# Allegro board HI3516ADMEB_VER_C_PCB.brd (continued)
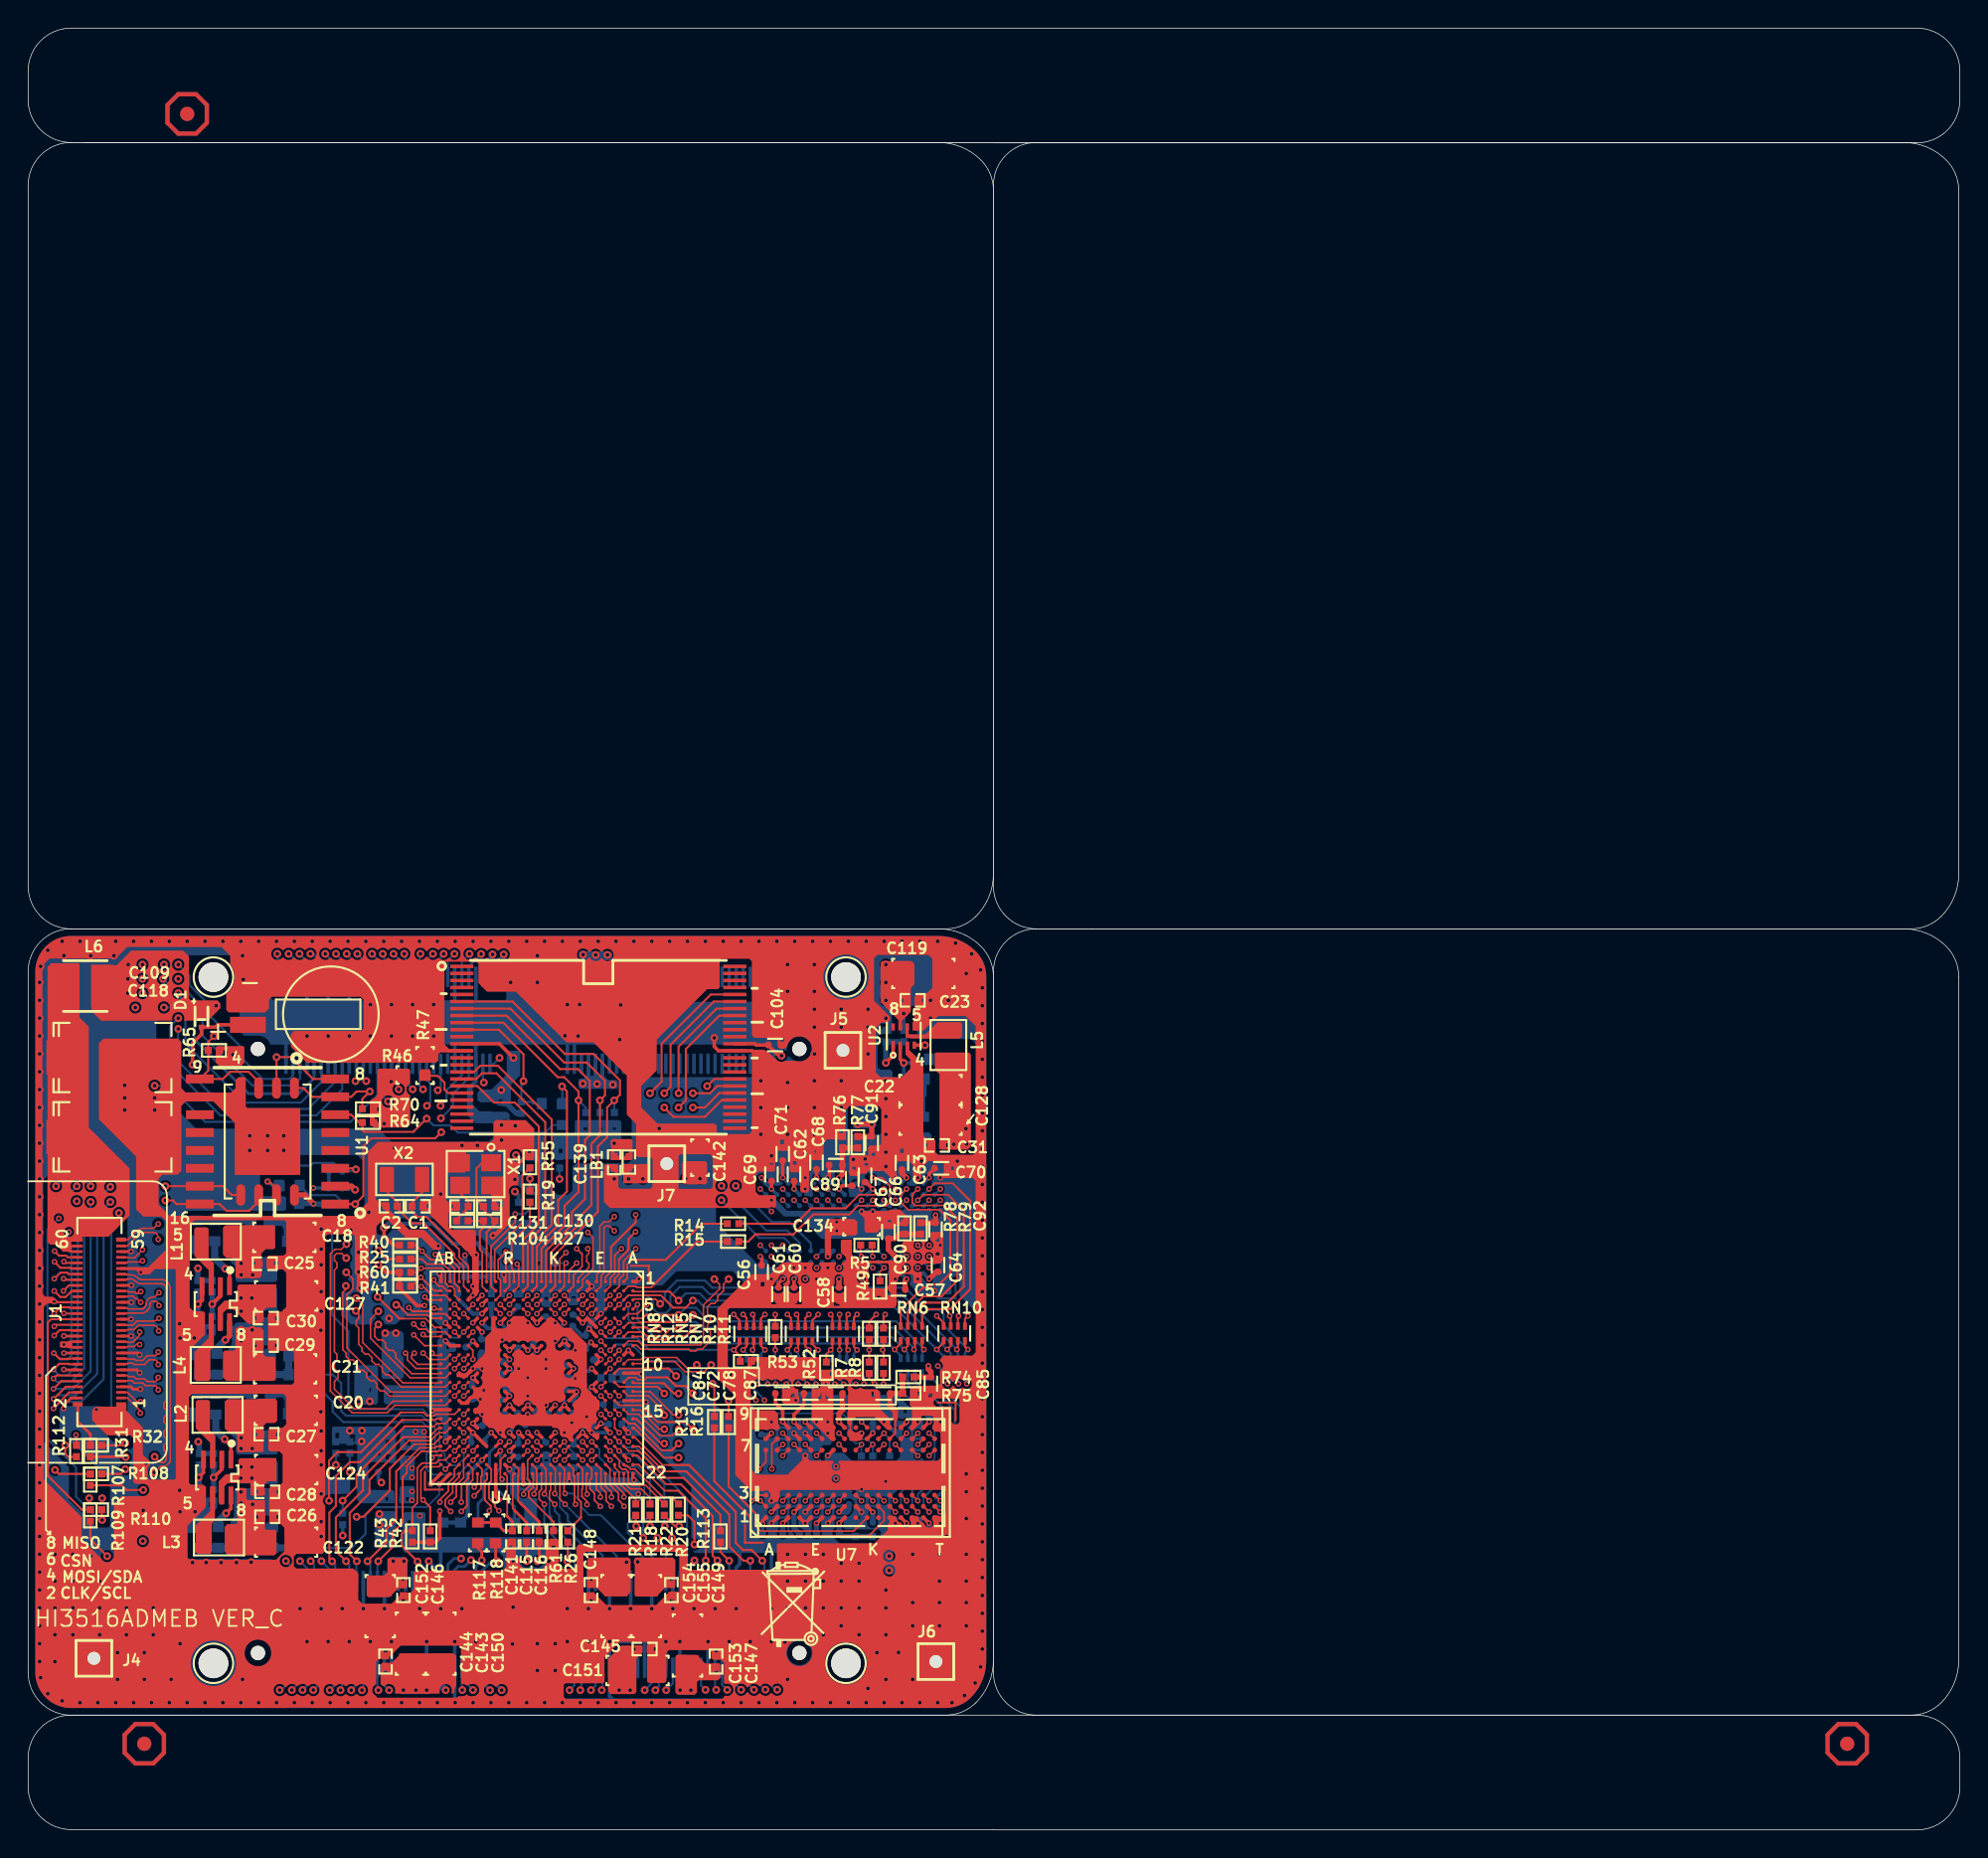
[diagram p0: board, top side]
## Routing (per net, layer and track width the routed paths; a pad name or vN(x,y) marks a point on that pad's centre or on a via; arc(x,y) is an arc through that point) (continued)
  BOTTOM w0.152: J3.22 23.32,61.57 v1(22.64,62.25)
VO_DAT3/SFC_DEVICE_MODE: length 85.6
  TOP w0.127: U4.G19 v2(39.41,26.93)
  ART03 w0.127: v1(25.21,62.25) 20.42,57.47 20.42,55.45 14.88,49.91 14.88,44.02 16.12,42.78 16.12,42.6 15.77,42.25 15.77,42.07 15.95,41.89 16.13,41.89 16.48,42.24 16.66,42.24 16.84,42.06 16.84,41.88 16.49,41.53 16.49,41.35 16.67,41.17 16.85,41.17 17.2,41.52 17.38,41.52 17.65,41.25 17.65,33.25 17.78,33.13 18.24,33.13 18.36,33 18.36,32.74 18.24,32.62 17.78,32.62 17.65,32.49 17.65,32.24 17.78,32.11 18.24,32.11 18.36,31.98 18.36,31.73 18.24,31.6 17.78,31.6 17.65,31.47 17.65,31.22 17.78,31.09 18.24,31.09 18.36,30.97 18.36,30.71 18.24,30.59 17.78,30.59 17.65,30.46 17.65,30.2 17.78,30.08 18.24,30.08 18.36,29.95 18.36,29.7 18.24,29.57 17.78,29.57 17.65,29.44 17.65,29 19.23,27.43 19.23,25.02 19.35,24.89 19.63,24.89 19.76,24.77 19.76,24.51 19.63,24.39 19.35,24.39 19.23,24.26 19.23,24 19.35,23.88 20.17,23.88 20.32,23.73 20.32,23.5 20.19,23.37 19.35,23.37 19.23,23.24 19.23,21.97 19.35,21.84 20.1,21.84 20.23,21.97 20.23,22.63 20.36,22.76 21.54,22.76 21.67,22.63 21.67,21.99 21.8,21.87 22.05,21.87 22.18,21.99 22.18,22.63 22.31,22.76 22.68,22.76 22.78,22.65 22.78,21.89 23.7,20.98 35.1,20.98 36.32,22.19 36.32,24.03 36.32,24.03 36.32,24.08 37.03,24.79 37.86,24.79 39.04,25.97 39.04,26.56 v2(39.41,26.93)
  BOTTOM w0.152: J3.30 25.32,62.14 v1(25.21,62.25)
VO_DAT4: length 86.4
  TOP w0.127: U4.G21 39.42,25.62 39.42,24.25 39.36,24.19 39.36,23.7 39.72,23.34 v2(39.72,23.12)
  ART03 w0.127: v2(39.72,23.12) 39.72,21.94 39.27,21.49 39.27,18.77 38.18,17.68 18.49,17.68 17.4,18.77 17.4,19.45 16.51,20.34 16.51,25.91 16.05,26.36 14.07,26.36 11.81,28.62 11.81,33.02 13.06,34.26 13.06,36.13 12.57,36.62 12.57,37.67 12.4,37.84 11.94,37.84 11.81,37.97 11.81,38.28 11.94,38.4 12.47,38.4 12.57,38.5 12.57,38.8 12.45,38.92 11.94,38.92 11.81,39.05 11.81,39.3 11.94,39.43 12.42,39.43 12.57,39.58 12.57,40.15 11.81,40.92 11.81,52.18 13.87,54.24 13.87,55.26 14.58,55.97 14.58,56.77 v1(20.06,62.25)
  BOTTOM w0.152: v1(20.06,62.25) 20.27,62.25 20.82,61.7 J3.12
VO_DAT5: length 87
  TOP w0.127: U4.F22 39.67,25.24 39.67,23.91 v2(39.72,23.85)
  ART03 w0.127: v2(39.72,23.85) 40.12,23.46 40.12,21.68 39.77,21.33 39.77,18.71 38.35,17.29 18.33,17.29 17.02,18.61 17.02,19.2 15.89,20.33 15.39,20.33 15.13,20.59 15.13,20.77 15.32,20.97 15.32,21.15 15.14,21.33 14.96,21.33 14.77,21.13 14.59,21.13 14.41,21.31 14.41,21.49 14.61,21.69 14.61,23.24 14.48,23.37 13.36,23.37 13.23,23.49 13.23,23.75 13.36,23.87 14.48,23.87 14.61,24 14.61,24.33 11.43,27.51 11.43,33.27 12.67,34.52 12.67,35.98 11.43,37.22 11.43,52.34 13.49,54.4 13.49,55.41 14.13,56.05 14.13,57.09 v1(19.29,62.25)
  BOTTOM w0.152: v1(19.29,62.25) 19.84,61.7 20.1,61.7 20.32,61.48 J3.10
VO_DAT6: length 85.6
  TOP w0.127: U4.G20 v2(39.41,26.28)
  ART03 w0.127: v1(24.45,62.25) 18.69,56.5 18.69,55.94 18.82,55.81 19.68,55.81 19.81,55.69 19.81,55.43 19.68,55.31 18.82,55.31 18.69,55.18 18.69,54.38 13.74,49.43 13.74,49.1 13.87,48.97 14.33,48.97 14.45,48.84 14.45,48.59 14.33,48.46 13.87,48.46 13.74,48.33 13.74,48.08 13.87,47.95 14.33,47.95 14.45,47.83 14.45,47.57 14.33,47.44 13.87,47.44 13.74,47.32 13.74,47.06 13.87,46.94 14.33,46.94 14.45,46.81 14.45,46.56 14.33,46.43 13.87,46.43 13.74,46.3 13.74,46.05 13.87,45.92 14.33,45.92 14.45,45.79 14.45,45.54 14.33,45.41 13.87,45.41 13.74,45.29 13.74,45.03 13.87,44.9 14.33,44.9 14.45,44.78 14.45,44.52 14.33,44.4 13.87,44.4 13.74,44.27 13.74,43.54 13.87,43.41 14.05,43.41 14.39,43.74 14.57,43.74 14.75,43.56 14.75,43.39 14.41,43.05 14.41,42.87 14.59,42.69 14.77,42.69 15.11,43.03 15.29,43.03 15.47,42.85 15.47,42.67 15.13,42.33 15.13,42.15 17.27,40.01 17.27,28.72 18.8,27.2 18.8,21.64 19.05,21.38 19.38,21.38 19.51,21.26 19.51,20.83 19.63,20.7 19.89,20.7 20.02,20.83 20.02,21.26 20.14,21.38 21.16,21.38 21.37,21.18 21.67,21.18 21.87,21.38 22.61,21.38 23.39,20.6 35.33,20.6 37.05,22.32 37.05,24.05 37.32,24.32 38.62,24.32 39.41,25.11 v2(39.41,26.28)
  BOTTOM w0.152: v1(24.45,62.25) 24.82,61.88 J3.28
VO_DAT7: length 85.5
  TOP w0.127: v2(40.67,22.98) 40.67,23.01 40.26,23.42 40.26,23.9 39.92,24.23 39.92,24.86 40.05,24.99 40.05,25.64 U4.F21
  ART03 w0.127: v1(18.51,62.25) 18.18,61.92 18.18,61.71 13.72,57.25 13.72,56.18 13.11,55.57 13.11,54.56 11.05,52.5 11.05,37.06 12.29,35.82 12.29,34.72 11.05,33.47 11.05,26.79 12.6,25.25 12.6,24.33 12.73,24.2 12.73,22.46 15.63,19.56 16.05,19.56 16.48,19.12 16.48,18.6 18.3,16.79 38.38,16.79 40.15,18.55 40.15,21.05 40.67,21.56 v2(40.67,22.98)
  BOTTOM w0.152: J3.6 19.32,61.51 18.58,62.25 v1(18.51,62.25)
VO_DAT8: length 85.5
  TOP w0.127: U4.F19 v2(39.41,27.58)
  ART03 w0.127: v1(25.97,62.25) 20.8,57.09 20.8,55.06 15.27,49.53 15.27,47.79 15.39,47.66 16.03,47.66 16.15,47.53 16.15,47.28 16.03,47.15 15.39,47.15 15.27,47.03 15.27,46.77 15.39,46.64 16.03,46.64 16.15,46.52 16.15,46.26 16.03,46.14 15.39,46.14 15.27,46.01 15.27,45.76 15.39,45.63 16.03,45.63 16.15,45.5 16.15,45.25 16.03,45.12 15.39,45.12 15.27,44.99 15.27,44.27 18.03,41.5 18.03,34.01 18.82,33.22 18.82,31.57 18.95,31.44 19.43,31.44 19.56,31.32 19.56,31.06 19.43,30.93 18.95,30.93 18.82,30.81 18.82,30.55 18.95,30.43 19.43,30.43 19.56,30.3 19.56,30.05 19.43,29.92 18.95,29.92 18.82,29.79 18.82,29.54 18.95,29.41 19.43,29.41 19.56,29.28 19.56,29.03 19.43,28.9 18.95,28.9 18.82,28.78 18.82,28.45 19.68,27.58 19.68,25.68 20.62,24.74 21.14,24.74 21.27,24.61 21.27,24.08 21.39,23.95 21.65,23.95 21.77,24.08 21.77,24.61 21.9,24.74 22.24,24.74 22.86,24.12 22.86,23.29 22.99,23.16 23.72,23.16 23.88,23.01 23.88,21.51 24.03,21.36 24.36,21.36 24.49,21.49 24.49,23.03 24.66,23.21 25.01,23.21 25.83,22.39 25.83,22.21 25.44,21.82 25.44,21.57 25.59,21.43 25.77,21.43 26.19,21.85 26.37,21.85 26.86,21.36 34.87,21.36 35.58,22.07 35.58,22.64 35.71,22.76 35.71,22.76 35.84,22.89 35.84,23.14 35.71,23.27 35.71,23.27 35.58,23.4 35.58,24.1 36.65,25.17 37.88,25.17 38.79,26.08 38.79,26.96 v2(39.41,27.58)
  BOTTOM w0.152: J3.34 26.32,61.9 v1(25.97,62.25)
VO_DAT9/SFC_NAND_BOOT_PIN0: length 99.2
  TOP w0.127: U4.E22 40.38,24.21 40.67,23.92 v2(40.67,23.65)
  ART03 w0.127: v1(17.71,62.25) 17.71,61.78 17.48,61.55 17.3,61.55 16.93,61.91 16.75,61.91 16.57,61.73 16.57,61.55 16.94,61.19 16.94,61.01 15.48,59.55 15.3,59.55 15.07,59.79 14.89,59.79 14.71,59.61 14.71,59.43 14.94,59.19 14.94,59.02 14.76,58.84 14.58,58.84 14.35,59.07 14.17,59.07 13.99,58.89 13.99,58.71 14.23,58.48 14.23,58.3 13.62,57.69 13.44,57.69 13.24,57.89 13.06,57.89 12.88,57.71 12.88,57.53 13.08,57.33 13.08,57.15 12.7,56.77 12.7,55.67 12.09,55.05 12.09,54.87 12.39,54.57 12.39,54.38 11.68,53.67 11.48,53.67 11.18,53.97 11,53.97 10.82,53.79 10.82,53.61 11.12,53.31 11.12,53.13 10.67,52.68 10.67,36.9 11.28,36.29 11.28,34.74 10.67,34.14 10.67,25.48 12.34,23.8 12.34,22.3 15.37,19.28 15.37,18.72 15.88,18.21 16.34,18.21 18.14,16.41 21.16,16.41 21.29,16.28 21.29,16.18 21.41,16.05 21.67,16.05 21.79,16.18 21.79,16.28 21.92,16.41 22.66,16.41 22.79,16.28 22.79,16.18 22.91,16.05 23.17,16.05 23.29,16.18 23.29,16.28 23.42,16.41 24.22,16.41 24.34,16.28 24.34,16.23 24.47,16.1 24.72,16.1 24.85,16.23 24.85,16.28 24.98,16.41 25.79,16.41 25.92,16.28 25.92,15.72 26.05,15.59 26.3,15.59 26.43,15.72 26.43,16.28 26.55,16.41 32.15,16.41 32.28,16.28 32.28,15.77 32.41,15.64 32.66,15.64 32.79,15.77 32.79,16.28 32.91,16.41 33.17,16.41 33.29,16.28 33.29,15.77 33.42,15.64 33.68,15.64 33.8,15.77 33.8,16.28 33.93,16.41 35.04,16.41 35.17,16.28 35.17,15.8 35.29,15.67 35.55,15.67 35.67,15.8 35.67,16.28 35.8,16.41 36.06,16.41 36.18,16.28 36.18,15.8 36.31,15.67 36.56,15.67 36.69,15.8 36.69,16.28 36.82,16.41 37.07,16.41 37.2,16.28 37.2,15.8 37.33,15.67 37.58,15.67 37.71,15.8 37.71,16.28 37.83,16.41 38.54,16.41 40.53,18.39 40.53,20.78 41.05,21.3 41.05,23.27 v2(40.67,23.65)
  BOTTOM w0.152: J3.4 18.82,61.36 18.56,61.62 18.04,61.62 17.71,61.95 v1(17.71,62.25)
VO_DAT10/SFC_NAND_BOOT_PIN1: length 91.6
  TOP w0.127: U4.F20 v2(40.06,26.93)
  ART03 w0.127: v2(40.06,26.93) 40.46,26.53 40.46,25.17 39.29,24 39.29,22.58 38.89,22.17 38.89,21.39 38.76,21.27 37.69,21.27 37.54,21.11 37.54,20.88 37.67,20.76 38.76,20.76 38.89,20.63 38.89,20.38 38.76,20.25 36.68,20.25 36.55,20.12 36.55,19.87 36.68,19.74 38.76,19.74 38.89,19.61 38.89,18.97 38.06,18.14 18.57,18.14 17.78,18.93 17.78,19.94 16.99,20.72 16.99,26.72 15.33,28.38 12.87,28.38 12.19,29.06 12.19,32.86 13.55,34.22 13.55,39.76 12.19,41.12 12.19,52.03 15.06,54.9 15.06,56.2 v1(21.12,62.25)
  BOTTOM w0.152: v1(21.12,62.25) 21.82,61.55 J3.16
VO_DAT11/SFC_NAND_BOOT_PIN2: length 94.6
  TOP w0.127: v2(41.45,22.99) 41.45,23.02 41.07,23.39 41.07,23.98 40.72,24.33 40.72,25.62 U4.E21
  ART03 w0.127: v1(8.99,52.88) 8.52,52.41 8.52,48.09 9.25,47.37 9.25,43.91 10.29,42.87 10.29,25.32 11.33,24.28 11.33,22.12 14.3,19.15 14.3,18.82 15.29,17.83 16.18,17.83 18.8,15.21 38.48,15.21 39.01,15.75 39.01,16.34 40.91,18.24 40.91,20.54 41.45,21.08 v2(41.45,22.99)
  BOTTOM w0.152: v1(8.99,52.88) 10.01,52.88 12.57,50.31 22.91,50.31 24.82,52.23 J3.27
VO_DAT12: length 102.8
  TOP w0.127: v2(41.46,23.65) 41.46,23.99 41.03,24.42 U4.D22
  ART03 w0.127: v2(41.46,23.65) 41.88,23.23 41.88,20.83 41.29,20.23 41.29,17.92 40.36,16.99 40.36,15.57 39.57,14.78 18.69,14.78 16.02,17.45 14.27,17.45 13.18,18.54 13.18,19.3 9.91,22.58 9.91,42.41 9.65,42.66 9.08,42.66 8.84,42.91 8.84,47.24 8.14,47.93 8.14,53.5 11.25,56.61 11.25,57.1 v1(10.67,57.68)
  BOTTOM w0.152: v1(10.67,57.68) 10.08,57.1 10.08,54.35 13.67,50.77 20.48,50.77 22.32,52.61 22.32,54.44 J3.17
VO_DAT13: length 101.1
  TOP w0.127: U4.D21 41.35,25.64 41.35,24.52 41.96,23.91 41.96,23.43 42.35,23.04 v2(42.35,22.99)
  ART03 w0.127: v2(42.35,22.99) 42.28,22.91 42.28,20.58 41.68,19.98 41.68,17.77 40.74,16.83 40.74,15.41 39.68,14.35 18.58,14.35 16.07,16.86 13.77,16.86 12.17,18.46 12.17,19.44 9.53,22.08 9.53,29.74 8.79,30.48 8.79,38.76 9.02,38.99 9.02,41.5 8.46,42.06 8.46,46.61 7.76,47.3 7.76,54.01 v1(10.67,56.92)
  BOTTOM w0.152: J3.15 21.82,53.16 19.89,51.23 14.05,51.23 10.67,54.61 v1(10.67,56.92)
VO_DAT14: length 85.4
  TOP w0.127: U4.E20 v2(40.06,26.28)
  ART03 w0.127: v1(23.4,62.25) 18.24,57.09 18.24,56.51 18.11,56.38 17.88,56.38 17.73,56.23 17.73,56 17.86,55.88 18.11,55.88 18.24,55.75 18.24,54.56 17.76,54.08 17.58,54.08 17.36,54.29 17.18,54.29 17,54.11 17,53.93 17.22,53.72 17.22,53.54 17.04,53.36 16.86,53.36 16.16,54.05 15.96,54.05 15.79,53.89 15.79,53.71 16.5,53 16.5,52.82 16.17,52.49 16,52.49 15.32,53.17 15.14,53.17 14.96,52.99 14.96,52.81 15.64,52.14 15.64,51.96 15.46,51.78 15.28,51.78 14.61,52.45 14.43,52.45 14.25,52.27 14.25,52.09 14.92,51.42 14.92,51.24 14.74,51.06 14.56,51.06 13.89,51.73 13.71,51.73 13.53,51.55 13.53,51.37 14.2,50.7 14.2,50.52 13.36,49.68 13.36,43.38 16.89,39.85 16.89,28.47 18.36,27 18.36,21.09 19.24,20.22 35.53,20.22 37.8,22.48 37.8,23.29 38.01,23.51 38.36,23.51 40.06,25.21 v2(40.06,26.28)
  BOTTOM w0.152: v1(23.4,62.25) 23.82,61.83 J3.24
VO_DAT15: length 103.9
  TOP w0.127: v2(42.34,23.65) 42.34,23.9 41.68,24.56 U4.C22
  ART03 w0.127: v1(9.65,58.44) 9.65,56.46 7.38,54.19 7.38,47.06 8.08,46.36 8.08,41.88 8.64,41.32 8.64,39.14 8.41,38.92 8.41,26.95 7.89,26.43 7.89,25.71 9.14,24.46 9.14,20.62 13.36,16.41 15.99,16.41 18.48,13.92 40.21,13.92 42.06,15.76 42.06,19.68 42.75,20.37 42.75,23.25 v2(42.34,23.65)
  BOTTOM w0.152: v1(9.65,58.44) 10.62,58.44 11.15,57.91 11.15,57.91 11.18,57.88 11.18,55.88 15.37,51.69 19.38,51.69 20.82,53.13 J3.11
WDG_RSTN/SYS_RSTN_OUT: length 24.6
  TOP w0.127: U4.T4 v2(33.56,36.68)
  ART03 w0.127: v2(33.56,36.68) 33.15,37.09 33.15,38.15 34.37,39.37 34.37,41.58 37.77,44.98 v1(37.77,46.25) 37.77,51.36 34.95,54.18 34.19,54.18 v1(33.5,54.86)
  BOTTOM w0.152: J3.59 33.08,54.44 v1(33.5,54.86) ; R59.1 v1(37.77,46.25)
ZOOM_PI_OUT: length 61.3
  TOP w0.127: v2(28.19,37.87) 28.41,37.66 U4.AB3
  TOP w0.152: R110.2 5.23,22.04 v1(5.26,22.02)
  ART06 w0.127: v2(28.19,37.87) 28.37,38.05 28.37,43.17 23.63,47.91 18.91,47.91 18.8,47.8 7.24,47.8 4.65,45.21 3.1,45.21 2.18,44.3 v2(2.18,43.46)
  BOTTOM w0.152: v1(5.26,22.02) 5.05,22.02 3.4,23.67 3.4,25.75 1.37,27.79 1.37,42.64 v2(2.18,43.46)
$5N31: length 4.3
  TOP w0.254: U2.1 61.48,55.03 v1(60.96,54.51)
  BOTTOM w0.381: R45.2 C24.1 v1(60.96,54.51)
$5N108: length 4.4
  TOP w0.254: v1(62.23,54.51) 61.98,54.76 U2.2
  BOTTOM w0.254: R28.1 63.25,54.76 62.99,54.51 v1(62.23,54.51) R89.1
$5N113: length 2.6
  BOTTOM w0.508: R80.1 R87.2 C6.1
$5N121: length 2.6
  BOTTOM w0.508: R82.2 R81.1 C3.1
$5N126: length 1.4
  BOTTOM w0.508: R82.1 17.02,41.83 R92.2
$5N129: length 3.2
  TOP w0.305: U12.2 13.66,37.94 v1(13.08,37.36)
  BOTTOM w0.381: R3.2 v1(13.08,37.36) C113.1
$5N151: length 1.3
  BOTTOM w0.508: R84.1 R90.2
$5N155: length 2.5
  BOTTOM w0.508: C4.1 R83.1 R84.2
$5N183: length 3.2
  TOP w0.254: U11.4 12.46,25.39 v1(12.12,25.04)
  BOTTOM w0.381: C112.1 12.17,24.99 v1(12.12,25.04) 12.17,25.09 R1.2
$5N195: length 3.3
  TOP w0.254: v1(13.18,25.04) 13.76,25.62 U11.2
  BOTTOM w0.381: R2.2 v1(13.18,25.04) C111.1
$5N198: length 2.7
  BOTTOM w0.508: C5.1 R86.1 R85.2
$5N224: length 3.8
  BOTTOM w0.508: R93.1 R39.2 R94.1 R103.1
$5N231: length 3.1
  TOP w0.305: U12.4 12.36,37.66 v1(12.07,37.36)
  BOTTOM w0.381: C114.1 v1(12.07,37.36) R4.2
$5N272: length 2.7
  BOTTOM w0.254: R88.2 63.73,52.22 63.63,52.12 R106.1
$5N274: length 1.2
  BOTTOM w0.254: R89.2 R98.1
$5N309: length 3.9
  BOTTOM w0.508: R90.1 R36.1 R99.1 R100.1
$5N313: length 3.9
  BOTTOM w0.508: R101.1 R95.2 R37.1 R91.1
$5N315: length 1.3
  BOTTOM w0.508: R85.1 R91.2
$5N321: length 3.9
  BOTTOM w0.508: R92.1 R38.1 R71.2 R102.1
$5N325: length 1.2
  BOTTOM w0.508: R93.2 R80.2
$5N331: length 3.6
  TOP w0.254: U12.1 14.31,39.59 v1(14.02,39.88)
  BOTTOM w0.508: R71.1 13.26,40.64 v1(14.02,39.88)
$5N339: length 3.6
  TOP w0.254: U11.1 14.41,27.32 v1(13.97,27.76)
  BOTTOM w0.508: R95.1 13.34,28.39 v1(13.97,27.76)
$5N341: length 2.6
  TOP w0.381: U12.8 14.31,35.11 v1(14.02,34.82)
  BOTTOM w0.508: v1(14.02,34.82) 13.41,34.21 R94.2
$5N346: length 2.6
  TOP w0.254: U11.8 14.41,22.84 v1(14.07,22.5)
  BOTTOM w0.508: R99.2 13.51,21.94 v1(14.07,22.5)
$8N971: length 2.3
  TOP w0.127: U7.L8 v2(60.83,28.19)
  BOTTOM w0.127: v2(60.83,28.19) 61.23,27.79 R50.1
$8N1113: length 1.6
  TOP w0.127: R49.1 60.54,39.65 v2(60.83,39.95)
  BOTTOM w0.127: U8.L8 v2(60.83,39.95)
$9N25: length 10
  TOP w0.127: 32.75,43.71 33.17,43.29 R27.1 ; 32.58,41.3 U4.U1
  TOP w0.152: 32.75,43.71 32.36,44.1 C130.1 31.86,44.8 31.86,47 32.27,47.41 X1.1 ; R27.1 33.17,43.06 32.58,42.47 32.58,41.3
$9N27: length 3.1
  TOP w0.152: X1.3 30.7,45.25 31.27,44.68 C131.1 31.27,44.19 30.45,43.38 R104.2
$9N38: length 6.4
  TOP w0.127: 32.11,41.3 32.11,41.22 32.27,41.06 32.27,38.62 U4.U2
  TOP w0.152: R104.1 R27.2 32.36,42.8 32.11,42.55 32.11,41.3
$9N47: length 10.8
  TOP w0.127: U4.W2 30.95,38.64 30.95,40.04 30.3,40.68 30.3,40.92 29.93,41.3
  TOP w0.152: 29.93,41.3 28.12,43.1 27.3,43.1 26.24,44.17 C2.1 26.24,44.61 25.5,45.35 X2.1
$9N49: length 9.6
  TOP w0.127: U4.W1 31.28,40.06 30.63,40.71 30.63,41.24 30.58,41.3
  TOP w0.152: X2.2 28,45.29 27.28,44.57 C1.1 27.28,43.94 27.66,43.56 28.31,43.56 30.58,41.3
$9N391: length 3.1
  BOTTOM w0.305: LB3.1 R115.1 C15.1 R116.1
$9N454: length 7.5
  TOP w0.127: U4.E19 v2(40.06,27.58)
  BOTTOM w0.127: R17.2 43.79,23.77 43.79,24.74 43.1,25.42 41.63,25.42 40.59,26.46 40.59,27.05 v2(40.06,27.58)
$9N456: length 3.4
  TOP w0.127: R18.2 44.2,23.61 43.57,24.24 42.79,24.24 42.33,24.69 U4.B22
$9N487: length 6.2
  TOP w0.127: 35.66,43.46 35.66,43.06 34.37,41.77 34.37,39.88 34.53,39.71 U4.P1
  TOP w0.152: 35.66,43.46 35.66,44.6
$9N766: length 6
  TOP w0.127: U4.C19 v2(42.01,26.93)
  BOTTOM w0.152: R24.2 45.21,24.53 43.03,26.72 42.22,26.72 v2(42.01,26.93)
$9N767: length 5.9
  TOP w0.127: U4.D19 v2(41.36,26.93)
  BOTTOM w0.127: R23.2 44.2,24.91 43.31,25.8 42.49,25.8 v2(41.36,26.93)
$9N770: length 5.6
  TOP w0.127: R22.2 43.88,24.5 42.91,24.5 42.65,24.76 42.65,25.44 42.46,25.63 42.22,25.63 42.02,25.83 42.02,26.27 U4.C20
$9N771: length 3.4
  TOP w0.127: R21.2 43.18,23.47 42,24.65 42,25.44 41.68,25.76 U4.C21
$9N774: length 5.1
  TOP w0.127: 44.91,23.85 43.12,25.64 42.81,25.64 42.57,25.88 42.41,25.88 U4.B21
  TOP w0.152: R20.2 45.75,23.64 45.11,23.64 44.91,23.85
$9N778: length 10
  TOP w0.127: U4.B19 42.67,26.92 43.37,26.92 45.28,25.02 45.59,25.02
  TOP w0.152: 45.59,25.02 46.59,25.02 49.2,22.4 R113.2
$10N15: length 3.9
  TOP w0.127: U4.AA1 29.98,39.74 29.51,40.21 28.35,40.21 27.99,40.56 R25.2
$10N485: length 4.5
  TOP w0.127: U4.G22 39.08,23.51 39.29,23.3 39.29,22.27
  TOP w0.152: R26.1 39.29,22.2 39.29,22.27
$10N560: length 2.2
  TOP w0.127: U4.W6 v2(30.96,35.38)
  BOTTOM w0.127: R33.1 30.02,34.98 30.55,34.98 v2(30.96,35.38)
$11N388: length 4.5
  TOP w0.127: 34.59,22.68 34.44,22.83 34.44,25.22 U4.P22
  TOP w0.203: C115.1 35.43,21.84 34.59,22.68
$11N544: length 5.5
  TOP w0.127: U4.P21 34.85,25.64 34.85,25.18 34.82,25.15 34.82,23.38 34.97,23.24
  TOP w0.203: C116.1 36.32,21.88 34.97,23.24
$12N24: length 13.9
  TOP w0.152: v1(2.64,27.33) 2.64,26.72 2.84,26.52 R112.1 ; v2(1.85,35.13) 2.24,35.51 3.15,35.51 3.17,35.49 J1.28
  ART06 w0.127: v1(2.64,27.33) 2.57,27.4 2.57,28.35 3.68,29.47 3.68,30.46 3.96,30.74 3.96,34.67 3.1,35.53 2.26,35.53 v2(1.85,35.13)
$12N265: length 3.3
  TOP w0.203: J1.2 3.53,29.02 4.42,28.13 R32.1
$12N417: length 15
  TOP w0.152: R108.1 2.18,25.3 v1(1.91,25.58) ; J1.30 1.97,35.89 v2(1.85,35.78)
  ART06 w0.127: v2(1.85,35.78) 1.35,35.27 1.35,26.13 v1(1.91,25.58)
$12N425: length 17.1
  TOP w0.152: R109.1 3.81,22.76 1.4,25.17 1.4,36.05 1.63,36.29 J1.32
$13N609: length 2.2
  TOP w0.152: v3(17.02,46.07) 17.14,46.07 17.65,45.56 U3.7
  BOTTOM w0.152: v3(17.02,46.07) 17.35,45.74 R132.1

## Copper pours and planes (outline as drawn; the poured copper is in the pictures)
1V1_CPU_CORE on TOP (solid shape): 16.74,35.48 16.74,33.78 16.89,33.63 17.45,33.63 17.6,33.47 17.6,32.08 17.42,31.9 14.1,31.9 13.84,32.15 13.84,33.93 13.97,34.06 14.61,34.06 14.73,34.19 14.73,34.31 16.38,34.31 16.38,34.57 16,34.57 16,34.31 14.73,34.31 14.73,35.58 14.86,35.71 16.51,35.71
1V1_CPU_CORE on BOTTOM (solid shape): 17.65,36.14 17.65,34.57 17.53,34.44 15.27,34.44 15.14,34.31 15.14,33.58 15.04,33.47 14.4,33.47 14.25,33.63 14.25,34.29 14.48,34.52 14.48,35.74 14.81,36.07 15.72,36.07 16.05,36.4 17.4,36.4
1V1_CPU_CORE on POWER04 (solid shape): outline of 2653 points within 14.83,31.19 34.8,40.87
1V1_DDR_CORE on TOP (solid shape): 17.55,42.9 17.55,41.37 17.45,41.27 16.89,41.27 16.59,40.97 16.59,39.34 16.46,39.22 14.83,39.22 14.73,39.32 14.73,40.15 16.38,40.15 16.38,40.41 15.88,40.41 15.88,40.15 14.73,40.15 14.73,40.38 14.48,40.64 14.1,40.64 13.84,40.89 13.84,42.8 14.02,42.97 17.48,42.97
1V1_DDR_CORE on BOTTOM (solid shape): 15.01,42.09 15.01,40.82 15.16,40.66 17.5,40.66 17.7,40.46 17.7,39.06 17.58,38.94 14.88,38.94 14.73,39.09 14.73,40.03 14.17,40.59 14.17,42.09 14.25,42.16 14.94,42.16
1V1_DDR_CORE on POWER04 (solid shape): outline of 1567 points within 14.83,32.59 39.55,47.72
1V1_MEDIA_CORE on TOP (solid shape): 15.52,24.2 15.52,23.54 15.62,23.44 16.79,23.44 16.84,23.39 16.84,21.38 16.89,21.33 17.5,21.33 17.65,21.18 17.65,19.66 17.5,19.5 14.22,19.5 13.97,19.76 13.97,21.54 14.1,21.66 14.73,21.66 14.86,21.79 14.86,22.12 16.51,22.12 16.51,22.37 16.13,22.37 16.13,22.12 14.86,22.12 14.86,24.2 14.96,24.31 15.42,24.31
1V1_MEDIA_CORE on BOTTOM (solid shape): 26.14,22.55 26.14,20.17 26.02,20.05 24.8,20.05 24.66,20.19 24.66,21.74 25.78,21.74 25.78,21.99 25.4,21.99 25.4,21.74 24.66,21.74 24.66,22.5 24.82,22.65 26.04,22.65
1V1_MEDIA_CORE on BOTTOM (solid shape): 17.81,24.18 17.81,22.48 17.65,22.32 15.57,22.32 15.29,22.04 15.29,21.31 15.19,21.21 14.55,21.21 14.4,21.36 14.4,22.02 14.63,22.25 14.63,24.08 14.83,24.28 17.7,24.28
1V1_MEDIA_CORE on POWER04 (solid shape): outline of 2200 points within 14.83,19.43 41.53,31.32
1V1_VDD_CORE on TOP (solid shape): 17.7,30.48 17.7,29.08 17.54,28.92 16.93,28.92 16.74,28.72 16.74,26.95 16.64,26.85 14.96,26.85 14.86,26.95 14.86,27.96 16.51,27.96 16.51,28.22 16,28.22 16,27.96 14.86,27.96 14.86,28.01 14.61,28.27 14.22,28.27 13.97,28.52 13.97,30.43 14.15,30.6 17.58,30.6
1V1_VDD_CORE on BOTTOM (solid shape): 15.04,29.82 15.04,28.55 15.19,28.39 17.53,28.39 17.73,28.19 17.73,26.79 17.6,26.67 14.91,26.67 14.76,26.82 14.76,27.76 14.2,28.32 14.2,29.82 14.27,29.89 14.96,29.89
1V1_VDD_CORE on BOTTOM (solid shape): 24.87,32.92 24.87,30.38 24.71,30.22 23.29,30.22 23.18,30.34 23.18,31.14 24.51,31.14 24.51,31.39 24.26,31.39 24.26,31.14 23.18,31.14 23.18,32.18 23.18,32.19 23.18,32.28 24.51,32.28 24.51,32.53 24.13,32.53 24.13,32.28 23.18,32.28 23.18,32.91 23.29,33.02 24.77,33.02
1V1_VDD_CORE on POWER04 (solid shape): outline of 1788 points within 14.83,24.56 39.55,34.26
1V5_1V35_DDRIO on TOP (solid shape): 48.26,47.39 48.26,46 48.13,45.87 46.61,45.87 46.48,46 46.48,47.39 46.61,47.52 48.13,47.52
1V5_1V35_DDRIO on TOP (solid shape): 58.93,43.2 58.93,42.36 58.8,42.24 57.15,42.24 57.07,42.16 57.07,40.69 56.97,40.59 56.69,40.59 56.62,40.66 56.62,43.2 56.82,43.41 58.72,43.41
1V5_1V35_DDRIO on TOP (solid shape): 67.01,55.09 67.01,48.56 66.78,48.33 64.9,48.33 64.77,48.46 64.77,48.54 65.53,48.54 65.53,48.79 65.15,48.79 65.15,48.54 64.77,48.54 64.77,53.69 64.44,54.02 64.44,55.14 64.54,55.24 66.85,55.24
1V5_1V35_DDRIO on BOTTOM (solid shape): 58.84,25.93 58.84,24.86 58.71,24.74 57.33,24.74 56.6,25.46 56.6,26.69 56.7,26.79 57.97,26.79
1V5_1V35_DDRIO on BOTTOM (solid shape): 60.27,51.92 60.27,50.01 60.12,49.86 58.7,49.86 58.6,49.96 58.6,51.94 58.7,52.04 60.15,52.04
1V5_1V35_DDRIO on BOTTOM (solid shape): 61.39,20.32 61.47,20.08 61.47,19.12 61.52,19.07 62.59,19.07 62.75,18.91 62.75,18.36 62.55,18.16 60.96,18.16 60.83,18.29 60.83,19.3 60.76,19.38 59.84,19.38 59.74,19.48 59.74,19.63 60.35,19.63 60.35,19.87 61.15,19.87 61.15,20.17 60.92,20.17 60.92,19.87 60.35,19.87 60.35,19.96 60.1,19.96 60.1,19.63 59.74,19.63 59.74,20.22 59.82,20.29 60.73,20.29 60.81,20.37 61.02,20.37 61.09,20.42
1V5_1V35_DDRIO on POWER05 (solid shape): outline of 14945 points within 38.02,9.42 67.34,51.1
1V8 on TOP (solid shape): 46.86,12.44 47.5,12.44 48.11,11.83 49.12,11.83 49.2,11.76 49.2,10.8 49.03,10.62 47.66,10.62 47.54,10.51 47.54,9.77 47.37,9.6 46.15,9.6 46,9.75 46,11.07 49.02,11.07 49.02,11.45 48.77,11.45 48.77,11.07 46,11.07 46,12.32 46.14,12.46 46.85,12.46
1V8 on BOTTOM (solid shape): 46.94,12.19 46.94,10.64 47.47,10.11 47.47,9.7 47.37,9.6 46.18,9.6 46.13,9.65 46.13,10.03 46.71,10.61 46.71,12.19 46.74,12.21 46.91,12.21
1V8 on ART03 (solid shape): outline of 476 points within 35.94,9.65 48.34,30.58
3V3 on TOP (solid shape): 42.95,49.02 42.95,47.72 42.82,47.6 41.48,47.6 41.43,47.65 41.43,47.9 42.67,47.9 42.67,48.28 42.29,48.28 42.29,47.9 42.04,47.9 42.04,48.28 41.66,48.28 41.66,47.9 41.43,47.9 41.43,48.99 41.53,49.1 42.88,49.1
3V3 on TOP (solid shape): 62.99,61.49 62.99,60.09 62.74,59.84 62.74,58.19 62.74,58.14 62.12,57.52 62.12,57.26 62.1,57.25 62.1,56.89 62.05,56.84 61.87,56.84 61.85,56.87 61.85,57.55 61.52,57.88 61.52,57.89 60.58,58.82 62.36,58.82 62.36,59.08 61.98,59.08 61.98,58.82 60.58,58.82 60.58,58.83 60.58,61.62 60.71,61.74 62.74,61.74
3V3 on TOP (solid shape): 17.5,38.71 17.5,37.18 17.45,37.13 16.97,37.13 16.74,36.9 16.74,36.19 16.51,35.96 15.62,35.96 15.37,36.22 16.38,36.22 16.38,36.47 16,36.47 16,36.22 15.37,36.22 14.61,36.98 14.1,36.98 13.84,36.73 13.84,35.58 13.72,35.46 13.59,35.46 13.46,35.58 13.46,37.11 13.97,37.61 14.73,37.61 14.86,37.74 14.86,38.63 14.99,38.76 17.45,38.76
3V3 on TOP (solid shape): 17.65,26.26 17.65,24.89 17.55,24.79 17.04,24.79 16.79,24.53 16.79,23.87 16.66,23.75 15.88,23.75 15.8,23.82 15.8,23.9 16.51,23.9 16.51,24.15 16.13,24.15 16.13,23.9 15.8,23.9 15.8,24.61 15.77,24.64 14.17,24.64 13.92,24.38 13.92,23.24 13.79,23.11 13.67,23.11 13.54,23.24 13.54,24.76 14.05,25.27 14.81,25.27 14.94,25.4 14.94,26.29 15.06,26.41 17.5,26.41
3V3 on TOP (solid shape): outline of 96 points within 25.04,9.67 30.43,12.55
3V3 on TOP (solid shape): outline of 154 points within 24.28,49.91 27.15,54.1
3V3 on TOP (solid shape): outline of 534 points within 4.52,57.5 13.67,62.48
3V3 on BOTTOM (solid shape): 17.75,26.11 17.75,24.66 17.7,24.61 14.96,24.61 14.78,24.79 14.78,25.88 15.11,26.21 17.65,26.21
3V3 on BOTTOM (solid shape): 17.7,38.43 17.7,36.98 17.65,36.93 15.72,36.93 15.39,36.6 14.86,36.6 14.73,36.73 14.73,38.2 15.06,38.53 17.6,38.53
3V3 on BOTTOM (solid shape): 27.43,12.19 27.43,10.64 27.61,10.46 28.5,10.46 28.59,10.37 28.59,9.74 28.5,9.65 26.52,9.65 26.37,9.8 26.37,10.21 26.7,10.54 26.7,12.14 26.77,12.21 26.87,12.21 26.92,12.16 26.92,10.56 26.95,10.54 27.2,10.54 27.23,10.56 27.23,12.16 27.3,12.24 27.38,12.24
3V3 on BOTTOM (solid shape): 34.98,55.27 34.98,53.62 34.32,52.96 34.32,51.51 34.26,51.46 33.4,51.46 33.27,51.58 33.81,51.58 33.81,51.92 33.45,51.92 33.45,51.58 33.27,51.58 33.1,51.76 32.03,51.76 31.93,51.86 31.93,52.4 32.16,52.63 32.94,52.63 34.01,53.69 34.01,55.17 34.21,55.37 34.87,55.37
